# KiCad board data-center-ddr5-tester.kicad_pcb (continued)
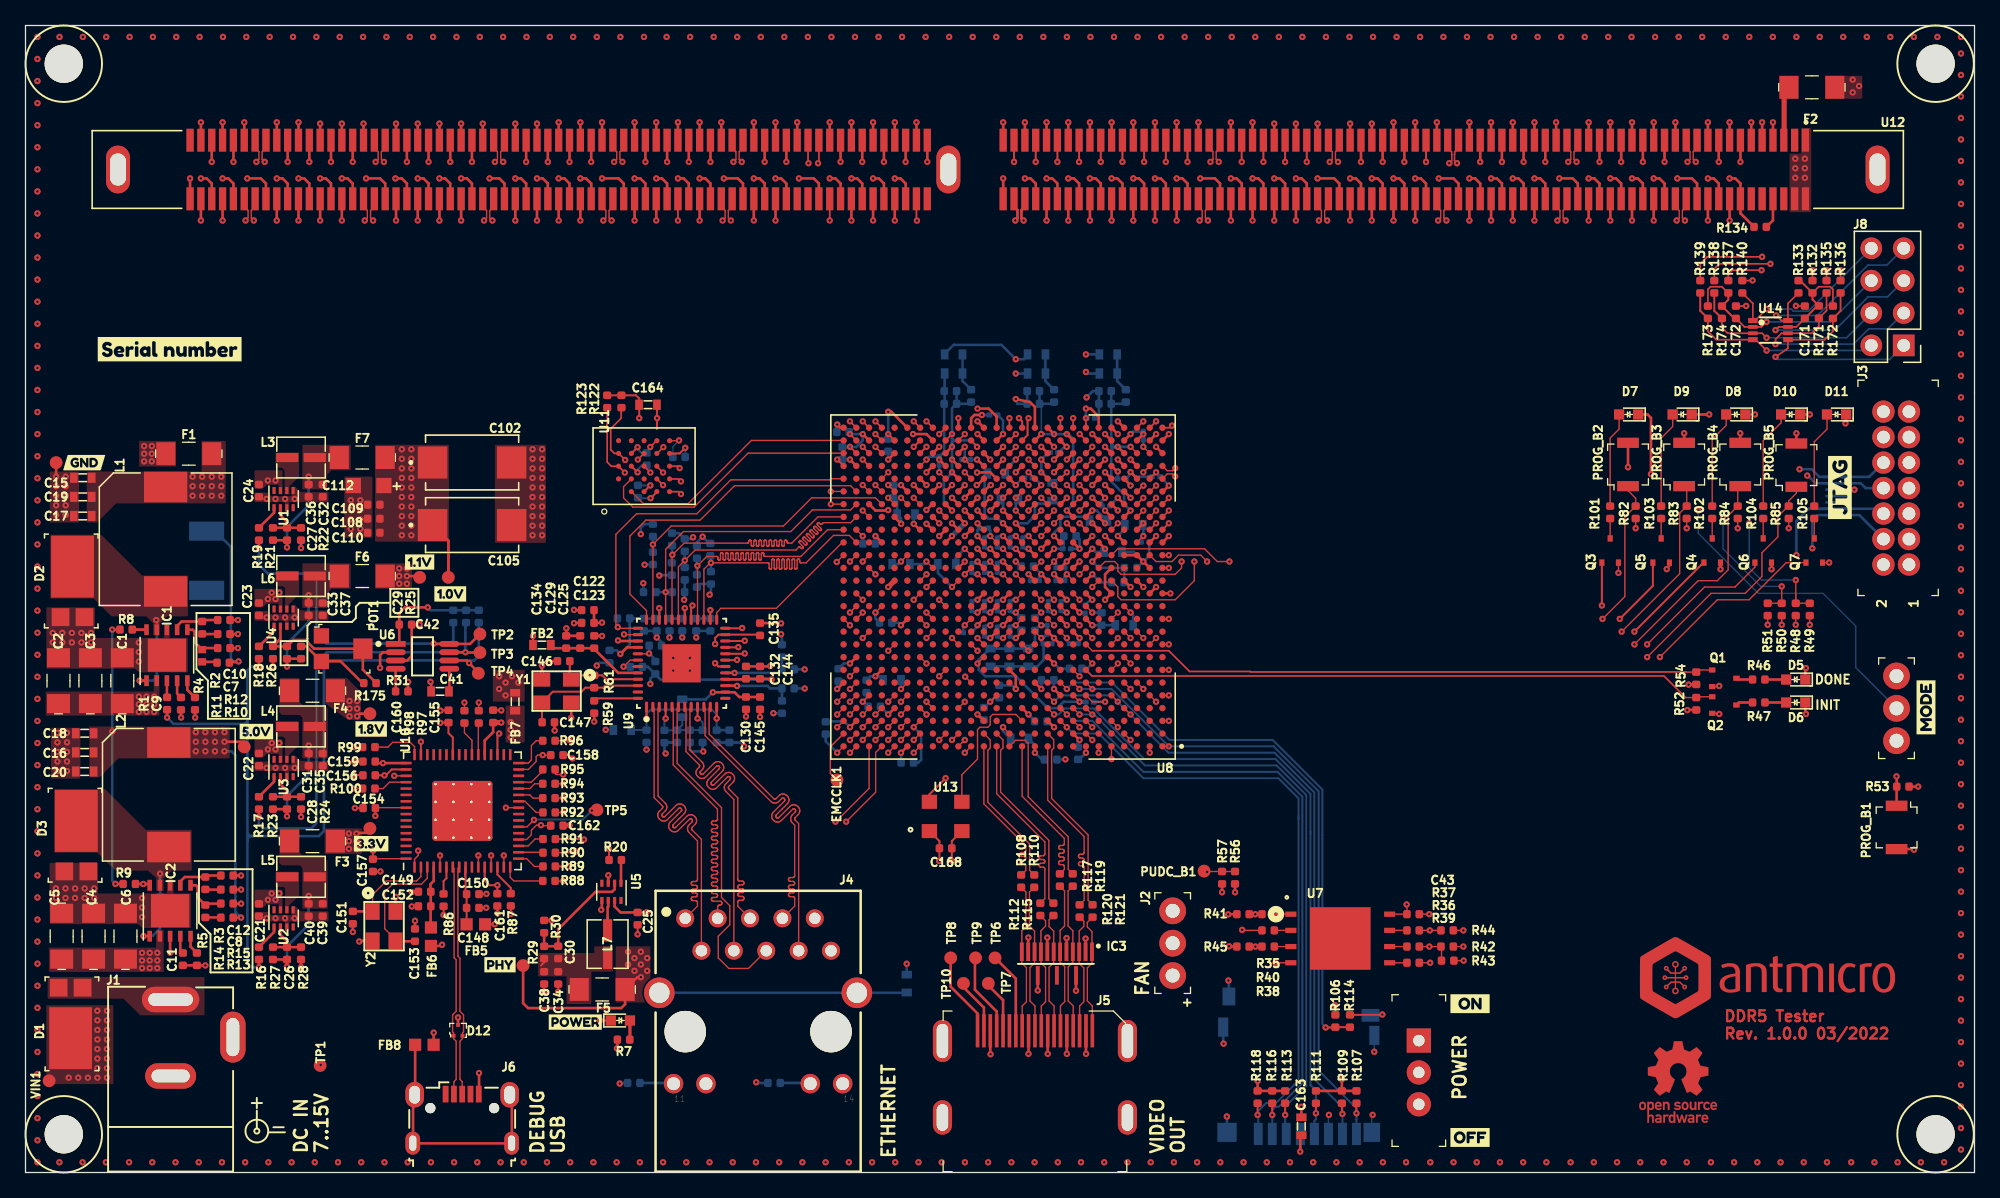
[diagram p0: board, top side]
## Routing (per net, layer and track width the routed paths; a pad name or vN(x,y) marks a point on that pad's centre or on a via; arc(x,y) is an arc through that point) (continued)
ETH_TX_CLK: length 23.7
  Top w0.1: U8.AA24 v4(65.64,53.94)
  Top w0.15: U9.24 56.16,42.7 v1(56.19,42.73)
  In2.Cu w0.1: v1(56.19,42.73) 56.19,49.49 58.32,51.62 58.34,51.64 58.36,51.65 58.38,51.65 58.4,51.65 58.42,51.65 58.44,51.64 58.47,51.61 58.49,51.6 58.51,51.6 58.54,51.6 58.56,51.6 58.58,51.61 58.59,51.62 58.6,51.63 58.61,51.64 58.62,51.66 58.63,51.69 58.63,51.71 58.62,51.73 58.61,51.75 58.6,51.77 58.46,51.9 58.45,51.92 58.44,51.94 58.43,51.96 58.43,51.98 58.44,52 58.45,52.02 58.46,52.04 58.47,52.04 58.48,52.06 58.5,52.07 58.52,52.07 58.55,52.07 58.57,52.07 58.59,52.06 58.6,52.04 58.74,51.91 58.76,51.89 58.78,51.88 58.8,51.88 58.82,51.88 58.84,51.88 58.86,51.89 58.88,51.91 58.88,51.91 58.89,51.93 58.9,51.95 58.91,51.97 58.91,51.99 58.9,52.01 58.89,52.03 58.88,52.05 58.74,52.19 58.73,52.2 58.72,52.22 58.72,52.24 58.72,52.26 58.72,52.29 58.73,52.31 58.74,52.32 58.75,52.33 58.77,52.34 58.78,52.35 58.81,52.35 58.83,52.35 58.85,52.35 58.87,52.34 58.89,52.33 59.02,52.19 59.04,52.18 59.06,52.17 59.08,52.16 59.1,52.16 59.12,52.17 59.14,52.18 59.16,52.19 59.16,52.19 59.18,52.21 59.19,52.23 59.19,52.25 59.19,52.27 59.19,52.29 59.18,52.31 59.16,52.33 59.03,52.47 59.01,52.48 59,52.5 59,52.53 59,52.55 59,52.57 59.01,52.59 59.03,52.61 59.03,52.61 59.05,52.62 59.07,52.63 59.09,52.64 59.11,52.64 59.13,52.63 59.15,52.62 59.17,52.61 59.31,52.47 59.32,52.46 59.34,52.45 59.36,52.44 59.39,52.44 59.41,52.45 59.43,52.46 59.44,52.47 59.45,52.48 59.46,52.49 59.47,52.51 59.47,52.53 59.47,52.56 59.47,52.58 59.46,52.6 59.45,52.61 59.31,52.75 59.3,52.77 59.29,52.79 59.28,52.81 59.28,52.83 59.29,52.85 59.3,52.87 59.31,52.89 59.31,52.89 59.33,52.91 59.35,52.92 59.37,52.92 59.39,52.92 59.41,52.92 59.43,52.91 59.45,52.89 59.59,52.75 59.61,52.74 59.63,52.73 59.65,52.73 59.67,52.73 59.69,52.73 59.71,52.74 59.73,52.75 59.73,52.76 59.74,52.78 59.75,52.8 59.76,52.82 59.76,52.84 59.75,52.86 59.74,52.88 59.73,52.9 59.59,53.03 59.58,53.05 59.57,53.07 59.56,53.09 59.56,53.11 59.57,53.13 59.58,53.15 59.59,53.17 59.6,53.18 59.61,53.19 59.63,53.2 59.65,53.2 59.68,53.2 59.7,53.2 59.72,53.19 59.73,53.18 59.87,53.04 59.89,53.02 59.91,53.01 59.93,53.01 59.95,53.01 59.97,53.01 59.99,53.02 60.01,53.04 60.01,53.04 60.03,53.06 60.04,53.08 60.04,53.1 60.04,53.12 60.04,53.14 60.03,53.16 60.01,53.18 59.94,53.25 59.95,53.25 59.88,53.32 59.86,53.34 59.85,53.36 59.85,53.38 59.85,53.4 59.85,53.42 59.86,53.44 59.88,53.46 59.88,53.46 59.9,53.47 59.92,53.48 59.94,53.49 59.96,53.49 59.98,53.48 60,53.47 60.04,53.45 60.06,53.44 60.08,53.43 60.1,53.43 60.12,53.44 60.14,53.45 60.16,53.46 60.63,53.93 65.63,53.93 v4(65.64,53.94)
ETH_TX_EN: length 12.8
  Top w0.1: U9.25 54.19,43.94 54.52,44.27 58.87,44.27 64.04,49.44 U8.U26
ETH_TXD0: length 23.7
  Top w0.1: U8.W24 v4(65.64,51.94)
  Top w0.15: v1(55.79,40.23) 55.76,40.2 U9.19
  In2.Cu w0.1: v4(65.64,51.94) 62.64,51.94 62.44,51.74 62.42,51.73 62.4,51.72 62.38,51.71 62.36,51.71 62.34,51.72 62.32,51.73 62.28,51.75 62.26,51.76 62.24,51.77 62.22,51.77 62.2,51.76 62.18,51.75 62.16,51.74 62.16,51.73 62.15,51.72 62.14,51.7 62.13,51.68 62.13,51.66 62.14,51.63 62.15,51.62 62.16,51.6 62.23,51.53 62.22,51.53 62.29,51.46 62.31,51.44 62.31,51.42 62.32,51.4 62.32,51.38 62.31,51.36 62.31,51.34 62.29,51.32 62.29,51.32 62.27,51.31 62.25,51.3 62.23,51.29 62.21,51.29 62.19,51.3 62.17,51.31 62.15,51.32 62.01,51.45 62,51.47 61.98,51.48 61.96,51.48 61.94,51.48 61.92,51.48 61.9,51.47 61.88,51.45 61.87,51.45 61.86,51.43 61.85,51.41 61.85,51.39 61.85,51.37 61.85,51.35 61.86,51.33 61.87,51.31 62.01,51.18 62.02,51.16 62.03,51.14 62.04,51.12 62.04,51.1 62.03,51.08 62.02,51.06 62.01,51.04 62,51.04 61.99,51.02 61.97,51.01 61.95,51.01 61.92,51.01 61.9,51.01 61.88,51.02 61.87,51.04 61.73,51.17 61.72,51.18 61.7,51.19 61.67,51.2 61.65,51.2 61.63,51.19 61.61,51.18 61.6,51.17 61.59,51.17 61.58,51.15 61.57,51.13 61.56,51.11 61.56,51.09 61.57,51.07 61.58,51.05 61.59,51.03 61.73,50.89 61.74,50.88 61.75,50.86 61.75,50.84 61.75,50.82 61.75,50.79 61.74,50.78 61.73,50.76 61.72,50.75 61.7,50.74 61.68,50.73 61.66,50.73 61.64,50.73 61.62,50.73 61.6,50.74 61.58,50.75 61.45,50.89 61.43,50.9 61.41,50.91 61.39,50.92 61.37,50.92 61.35,50.91 61.33,50.9 61.31,50.89 61.31,50.88 61.29,50.87 61.29,50.85 61.28,50.83 61.28,50.8 61.29,50.78 61.29,50.76 61.31,50.75 61.44,50.61 61.46,50.59 61.47,50.58 61.47,50.55 61.47,50.53 61.47,50.51 61.46,50.49 61.44,50.48 61.44,50.47 61.42,50.46 61.4,50.45 61.38,50.44 61.36,50.44 61.34,50.45 61.32,50.46 61.3,50.47 61.17,50.61 61.15,50.62 61.13,50.63 61.11,50.63 61.09,50.63 61.07,50.63 61.05,50.62 61.03,50.61 61.02,50.6 61.01,50.58 61,50.56 61,50.54 61,50.52 61,50.5 61.01,50.48 61.02,50.46 61.16,50.33 61.17,50.31 61.18,50.29 61.19,50.27 61.19,50.25 61.18,50.23 61.17,50.21 61.16,50.19 61.15,50.19 61.14,50.17 61.12,50.16 61.1,50.16 61.08,50.16 61.06,50.16 61.04,50.17 61.02,50.19 60.88,50.32 60.87,50.34 60.85,50.35 60.83,50.35 60.8,50.35 60.78,50.35 60.76,50.34 60.75,50.32 60.74,50.32 60.73,50.3 60.72,50.28 60.71,50.26 60.71,50.24 60.72,50.22 60.73,50.2 60.74,50.18 60.88,50.05 60.89,50.03 60.9,50.01 60.91,49.99 60.91,49.97 60.9,49.95 60.89,49.93 60.88,49.91 60.87,49.9 60.86,49.89 60.84,49.88 60.81,49.88 60.79,49.88 60.77,49.88 60.75,49.89 60.72,49.92 60.7,49.93 60.68,49.93 60.66,49.93 60.64,49.93 60.62,49.92 60.6,49.9 58.18,47.48 58.18,40.98 57.42,40.23 v1(55.79,40.23)
ETH_TXD1: length 23.6
  Top w0.1: U8.Y26 v4(63.14,52.44)
  Top w0.15: v1(56.39,40.73) 56.36,40.7 U9.20
  In2.Cu w0.1: v1(56.39,40.73) 56.92,40.73 57.64,41.44 57.64,47.94 58.21,48.51 58.22,48.52 58.24,48.53 58.26,48.54 58.29,48.54 58.31,48.53 58.33,48.52 58.35,48.51 58.38,48.47 58.4,48.46 58.42,48.45 58.44,48.45 58.46,48.45 58.49,48.45 58.51,48.46 58.52,48.47 58.54,48.49 58.55,48.51 58.55,48.53 58.55,48.56 58.55,48.58 58.54,48.6 58.52,48.62 58.31,48.83 58.3,48.84 58.29,48.86 58.28,48.89 58.28,48.91 58.29,48.93 58.3,48.95 58.31,48.97 58.33,48.98 58.35,48.99 58.37,49 58.39,49 58.42,48.99 58.44,48.98 58.45,48.97 58.66,48.76 58.68,48.74 58.7,48.73 58.72,48.73 58.75,48.73 58.77,48.73 58.79,48.74 58.81,48.76 58.82,48.77 58.83,48.79 58.83,48.82 58.83,48.84 58.83,48.86 58.82,48.88 58.81,48.9 58.59,49.11 58.58,49.13 58.57,49.15 58.57,49.17 58.57,49.19 58.57,49.21 58.58,49.23 58.59,49.25 58.61,49.26 58.63,49.27 58.65,49.28 58.68,49.28 58.7,49.27 58.72,49.26 58.74,49.25 58.95,49.04 58.96,49.03 58.98,49.02 59.01,49.01 59.03,49.01 59.05,49.02 59.07,49.03 59.09,49.04 59.1,49.06 59.11,49.08 59.12,49.1 59.12,49.12 59.11,49.14 59.1,49.16 59.09,49.18 58.88,49.39 58.86,49.41 58.85,49.43 58.85,49.45 58.85,49.47 58.85,49.5 58.86,49.52 58.88,49.53 58.89,49.55 58.91,49.56 58.94,49.56 58.96,49.56 58.98,49.56 59,49.55 59.02,49.53 59.23,49.32 59.25,49.31 59.27,49.3 59.29,49.29 59.31,49.29 59.33,49.3 59.35,49.31 59.37,49.32 59.39,49.34 59.4,49.36 59.4,49.38 59.4,49.4 59.4,49.43 59.39,49.45 59.37,49.46 59.16,49.68 59.15,49.69 59.14,49.71 59.13,49.73 59.13,49.76 59.14,49.78 59.15,49.8 59.16,49.82 59.18,49.83 59.2,49.84 59.22,49.85 59.24,49.85 59.26,49.84 59.28,49.83 59.3,49.82 59.51,49.61 59.53,49.59 59.55,49.58 59.57,49.58 59.59,49.58 59.62,49.58 59.64,49.59 59.65,49.61 59.67,49.62 59.68,49.64 59.68,49.66 59.68,49.69 59.68,49.71 59.67,49.73 59.65,49.75 59.44,49.96 59.43,49.98 59.42,50 59.41,50.02 59.41,50.04 59.42,50.06 59.43,50.08 59.44,50.1 59.46,50.11 59.48,50.12 59.5,50.13 59.52,50.13 59.55,50.12 59.57,50.11 59.58,50.1 59.8,49.89 59.81,49.87 59.83,49.86 59.86,49.86 59.88,49.86 59.9,49.86 59.92,49.87 59.94,49.89 59.95,49.91 59.96,49.93 59.97,49.95 59.97,49.97 59.96,49.99 59.95,50.01 59.94,50.03 59.73,50.24 59.71,50.26 59.7,50.28 59.7,50.3 59.7,50.32 59.7,50.34 59.71,50.36 59.73,50.38 59.74,50.4 59.76,50.41 59.79,50.41 59.81,50.41 59.83,50.41 59.85,50.4 59.87,50.38 60.08,50.17 60.1,50.16 60.12,50.15 60.14,50.14 60.16,50.14 60.18,50.15 60.2,50.16 60.22,50.17 60.23,50.19 60.24,50.21 60.25,50.23 60.25,50.25 60.24,50.27 60.23,50.29 60.22,50.31 60.01,50.52 59.99,50.54 59.98,50.56 59.98,50.58 59.98,50.61 59.98,50.63 59.99,50.65 60.01,50.66 60.03,50.68 60.05,50.69 60.07,50.69 60.09,50.69 60.11,50.69 60.13,50.68 60.15,50.66 60.18,50.63 60.2,50.62 60.22,50.61 60.24,50.6 60.27,50.6 60.29,50.61 60.31,50.62 60.33,50.63 62.14,52.44 v4(63.14,52.44)
ETH_TXD2: length 23.6
  Top w0.1: U8.Y22 v4(67.64,52.94)
  Top w0.15: v1(55.89,41.23) 55.86,41.2 U9.21
  In2.Cu w0.1: v1(55.89,41.23) 56.55,41.23 57.14,41.81 57.14,48.44 60.52,51.82 60.54,51.84 60.56,51.85 60.58,51.85 60.6,51.85 60.62,51.85 60.64,51.84 60.66,51.82 60.68,51.8 60.7,51.79 60.72,51.78 60.74,51.77 60.76,51.77 60.79,51.78 60.81,51.79 60.82,51.8 60.84,51.82 60.85,51.84 60.85,51.86 60.85,51.88 60.85,51.91 60.84,51.93 60.82,51.94 60.64,52.13 60.63,52.14 60.62,52.16 60.61,52.19 60.61,52.21 60.62,52.23 60.63,52.25 60.64,52.27 60.66,52.28 60.68,52.29 60.7,52.3 60.72,52.3 60.74,52.29 60.76,52.28 60.78,52.27 60.96,52.08 60.98,52.07 61,52.06 61.02,52.06 61.05,52.06 61.07,52.06 61.09,52.07 61.11,52.08 61.12,52.1 61.13,52.12 61.13,52.14 61.13,52.17 61.13,52.19 61.12,52.21 61.11,52.23 60.92,52.41 60.91,52.43 60.9,52.45 60.89,52.47 60.89,52.49 60.9,52.51 60.91,52.53 60.92,52.55 60.94,52.56 60.96,52.57 60.98,52.58 61,52.58 61.03,52.57 61.05,52.56 61.06,52.55 61.08,52.53 61.1,52.52 61.12,52.51 61.14,52.5 61.17,52.5 61.19,52.51 61.21,52.52 61.23,52.53 61.64,52.94 v4(67.64,52.94)
ETH_TXD3: length 23.6
  Top w0.1: U8.Y21 v4(68.64,52.94)
  Top w0.15: v1(56.39,41.73) 56.36,41.7 U9.22
  In2.Cu w0.1: v4(68.64,52.94) 68.14,53.44 61.14,53.44 56.64,48.94 56.64,41.98 v1(56.39,41.73)
FCS_B: length 42
  Top w0.1: U8.C23 v1(66.64,34.94) ; R35.2 v1(96.42,20.27) R41.1
  In9.Cu w0.1: v1(96.42,20.27) 96.42,23.41 91.89,27.94 69.14,27.94 66.64,30.44 v1(66.64,34.94)
GCLK100: length 10.7
  Top w0.1: U13.3 73.41,31.21 74.64,32.44 74.64,34.75 74.82,34.94 75.45,34.94 75.64,35.13 75.64,35.75 75.82,35.94 77.64,35.94 U8.C12
HR_CKN: length 19.1
  Top w0.1: U8.AE26 56.91,57.44 51.95,52.48 48.44,52.48 U11.B1
HR_CKP: length 21
  Top w0.1: U8.AD26 56.65,56.44 52.42,52.21 47.62,52.21 46.89,52.94 46.89,53.81 U11.B2
HR_CS: length 26.9
  Top w0.127: U8.AC26 v4(63.64,55.94) ; 45.81,60.01 45.6,59.81 45.6,55.75 45.93,55.42 46.49,55.42 ; 46.49,55.42 v4(46.99,54.92)
  In2.Cu w0.127: v4(46.99,54.92) 46.99,54.26 49.56,51.69 54.14,51.69 58.39,55.94 v4(63.64,55.94)
HR_DQ0: length 20
  Top w0.127: U8.AE23 v4(66.64,57.94) ; 49.48,55.42 v4(49.98,54.92)
  In2.Cu w0.127: v4(49.98,54.92) 50.09,54.82 53.52,54.82 57.14,58.44 63.14,58.44 63.39,58.19 64.01,58.19 64.26,58.44 66.14,58.44 v4(66.64,57.94)
HR_DQ1: length 18.3
  Top w0.127: U8.AD25 v4(64.64,56.94) ; 49.48,54.43 v4(49.98,53.93)
  In2.Cu w0.127: 50.03,53.93 v4(49.98,53.93) 51.13,52.79 53.74,52.79 57.89,56.94 v4(64.64,56.94)
HR_DQ2: length 20.9
  Top w0.127: U8.AF24 v4(65.64,58.94) ; 48.5,56.44 v4(48,55.94)
  In2.Cu w0.127: v4(48,55.94) 48.22,55.72 52.92,55.72 56.64,59.44 65.14,59.44 v4(65.64,58.94)
HR_DQ3: length 22.4
  Top w0.127: U8.AE22 v4(67.64,57.94) ; 49.51,56.41 v4(50.01,56.91)
  In2.Cu w0.127: v4(50.01,56.91) 50.51,56.42 52.11,56.42 55.94,60.24 66.34,60.24 67.64,58.94 v4(67.64,57.94)
HR_DQ4: length 21.4
  Top w0.127: U8.AF23 v4(66.64,58.94) ; 49.48,57.43 v4(48.98,56.93)
  In2.Cu w0.127: v4(48.98,56.93) 49.84,56.07 52.52,56.07 56.29,59.84 65.74,59.84 v4(66.64,58.94)
HR_DQ5: length 16.6
  Top w0.127: U8.AF25 v4(64.64,58.94) ; U11.E3 51.13,55.42 v4(51.29,55.27)
  In2.Cu w0.127: v4(64.64,58.94) 64.14,58.94 63.89,59.19 62.89,59.19 62.64,58.94 56.89,58.94 53.22,55.27 v4(51.29,55.27)
HR_DQ6: length 16.5
  Top w0.127: U8.AE25 v4(64.64,57.94) ; U11.E2 51.19,54.42 v4(51.39,54.23)
  In2.Cu w0.127: v4(51.39,54.23) 53.68,54.23 57.39,57.94 v4(64.64,57.94)
HR_DQ7: length 17.8
  Top w0.127: U8.AD24 v4(65.64,56.94) ; v4(51.39,53.24) 51.2,53.42 U11.E1
  In2.Cu w0.127: 58.94,57.44 65.14,57.44 v4(65.64,56.94) ; 58.89,57.44 57.64,57.44 53.44,53.24 v4(51.39,53.24)
HR_RST: length 30.5
  Top w0.127: U8.AC24 v4(65.64,55.94) ; U11.A4 46.17,56.42 45.88,56.71 45.88,58.36 46.69,59.18 46.69,59.86 46.87,60.04 ; 46.51,56.41 v4(47.01,55.91)
  In2.Cu w0.127: v4(47.01,55.91) 46.39,55.28 46.39,53.94 49.14,51.19 54.39,51.19 58.64,55.44 65.14,55.44 v4(65.64,55.94)
HR_RW: length 22.7
  Top w0.127: U8.AD23 v4(66.64,56.94) ; 48.49,55.42 v4(48.99,54.92)
  In2.Cu w0.127: v4(66.64,56.94) 66.14,56.44 58.14,56.44 53.91,52.22 50.68,52.22 49.51,53.39 49.51,54.43 49.02,54.92 v4(48.99,54.92)
HSCL: length 18
  Top w0.127: R138.2 132.4,70.9 132.8,71.3 v1(136.8,71.3)
  Top w0.2: U12.4 v1(137,82.4)
  In2.Cu w0.127: v1(137,82.4) 136.8,82.2 136.8,71.4
HSDA: length 18.3
  Top w0.127: R139.2 131.3,71.3 131.85,71.85 v1(136.15,71.85)
  Top w0.2: U12.5 v1(136.15,82.4)
  In2.Cu w0.127: v1(136.15,82.4) v1(136.15,71.85)
INIT_B: length 50
  Top w0.1: Q2.1 131.05,37.33 R52.2 130.15,37.26 130.14,37.28
  Top w0.127: 130.14,37.28 128.45,38.96 83.61,38.96 U8.G7
LED_LINK: length 58.8
  Top w0.2: U9.17 v1(55.59,39.2)
  In7.Cu w0.2: v1(55.59,39.2) 55.29,38.9 55.29,25.34 56.84,23.79 64.24,23.79 67.44,20.59 67.44,11.24 64.69,8.49 54.86,8.49 J4.12
  Bottom w0.2: R81.1 59.3,40.44 R70.1 59.02,39.2 v1(55.59,39.2)
LED_SPD: length 47.7
  Top w0.2: U9.15 55.76,38.2 v1(55.79,38.18)
  In7.Cu w0.2: J4.14 67.89,10.79 67.89,20.81 64.51,24.19 57.04,24.19 55.79,25.44 v1(55.79,38.18)
  Bottom w0.2: R80.1 59.31,37.97 R69.1 58.39,37.98 58.19,38.18 v1(55.79,38.18)
MODE0: length 64.6
  Top w0.1: R49.1 R48.1 ; R48.1 138.79,44.96 ; R48.1 138.79,44.96 ; 138.79,45.43 138.79,44.96 ; 138.79,44.96 v1(138.79,46.49) ; U8.T5 85.64,48.94 92.44,48.94 93.44,47.94 v1(94.39,47.94)
  In5.Cu w0.1: v1(135.14,50.94) 133.39,52.69 119.89,52.69 115.14,47.94 94.34,47.94
  In9.Cu w0.1: 135.12,50.95 v1(135.14,50.94)
  Bottom w0.1: v1(138.79,46.49) 136.09,46.49 135.14,47.44 v1(135.14,50.94)
MODE1: length 58.6
  Top w0.1: R51.1 R50.1 v1(137.69,45.99) ; v1(92.64,47.94) 92.14,48.44 90.39,48.44 89.89,47.94 88.64,47.94 U8.T2
  In5.Cu w0.1: v1(92.64,47.94) 93.64,46.94 116.14,46.94 120.64,51.44 v1(133.09,51.44)
  Bottom w0.1: v1(137.69,45.99) 136.04,45.99 133.09,48.94 v1(133.09,51.44)
MODE2: length 76.6
  Top w0.1: v1(91.64,47.94) 91.64,46.44 90.14,44.94 85.89,44.94 85.64,45.19 85.64,45.94 U8.P5
  In5.Cu w0.1: v1(91.64,47.94) 92.14,48.44 92.94,48.44 93.94,47.44 115.64,47.44 120.14,51.94 v1(131.14,51.94)
  Bottom w0.1: v1(131.14,51.94) 131.14,50.16 135.85,45.44 140.93,45.44 143.49,42.88 143.49,39.62 MODE1.2
PAR_A: length 41.4
  Top w0.13: v1(78.64,51.94) U8.Y11
  Top w0.15: U12.74 v1(77.5,79.3)
  In7.Cu w0.11: 77.14,74.19 77.14,75.44 77.5,75.8 77.5,76.04 77.5,76.06 77.51,76.09 77.52,76.11 77.54,76.13 77.56,76.14 77.59,76.15 77.61,76.15 77.79,76.15 77.81,76.15 77.84,76.16 77.86,76.17 77.88,76.19 77.89,76.21 77.9,76.24 77.9,76.26 77.9,76.28 77.89,76.31 77.88,76.33 77.86,76.35 77.84,76.36 77.81,76.37 77.79,76.37 77.21,76.37 77.19,76.37 77.16,76.38 77.14,76.39 77.12,76.41 77.11,76.43 77.1,76.46 77.1,76.48 77.1,76.5 77.11,76.53 77.12,76.55 77.14,76.57 77.16,76.58 77.19,76.59 77.21,76.59 77.79,76.59 77.81,76.59 77.84,76.6 77.86,76.61 77.88,76.63 77.89,76.65 77.9,76.68 77.9,76.7 77.9,76.72 77.89,76.75 77.88,76.77 77.86,76.79 77.84,76.8 77.81,76.81 77.79,76.81 77.21,76.81 77.19,76.81 77.16,76.82 77.14,76.83 77.12,76.85 77.11,76.87 77.1,76.9 77.1,76.92 77.1,76.94 77.11,76.97 77.12,76.99 77.14,77.01 77.16,77.02 77.19,77.03 77.21,77.03 77.79,77.03 77.81,77.03 77.84,77.04 77.86,77.05 77.88,77.07 77.89,77.09 77.9,77.12 77.9,77.14 77.9,77.16 77.89,77.19 77.88,77.21 77.86,77.23 77.84,77.24 77.81,77.25 77.79,77.25 77.21,77.25 77.19,77.25 77.16,77.26 77.14,77.27 77.12,77.29 77.11,77.31 77.1,77.34 77.1,77.36 77.1,77.38 77.11,77.41 77.12,77.43 77.14,77.45 77.16,77.46 77.19,77.47 77.21,77.47 77.79,77.47 77.81,77.47 77.84,77.48 77.86,77.49 77.88,77.51 77.89,77.53 77.9,77.56 77.9,77.58 77.9,77.6 77.89,77.63 77.88,77.65 77.86,77.67 77.84,77.68 77.81,77.69 77.79,77.69 77.21,77.69 77.19,77.69 77.16,77.7 77.14,77.71 77.12,77.73 77.11,77.75 77.1,77.78 77.1,77.8 77.1,77.82 77.11,77.85 77.12,77.87 77.14,77.89 77.16,77.9 77.19,77.91 77.21,77.91 77.79,77.91 77.81,77.91 77.84,77.92 77.86,77.93 77.88,77.95 77.89,77.97 77.9,78 77.9,78.02 77.9,78.04 77.89,78.07 77.88,78.09 77.86,78.11 77.84,78.12 77.81,78.13 77.79,78.13 77.21,78.13 77.19,78.13 77.16,78.14 77.14,78.15 77.12,78.17 77.11,78.19 77.1,78.22 77.1,78.24 77.1,78.26 77.11,78.29 77.12,78.31 77.14,78.33 77.16,78.34 77.19,78.35 77.21,78.35 77.79,78.35 77.81,78.35 77.84,78.36 77.86,78.37 77.88,78.39 77.89,78.41 77.9,78.44 77.9,78.46 77.9,78.48 77.89,78.51 77.88,78.53 77.86,78.55 77.84,78.56 77.81,78.57 77.79,78.57 77.21,78.57 77.19,78.57 77.16,78.58 77.14,78.59 77.12,78.61 77.11,78.63 77.1,78.66 77.1,78.68 77.1,78.7 77.11,78.73 77.12,78.75 77.14,78.77 77.16,78.78 77.19,78.79 77.21,78.79 77.39,78.79 77.41,78.79 77.44,78.8 77.46,78.81 77.48,78.83 77.49,78.85 77.5,78.88 77.5,78.9 v1(77.5,79.3)
  In7.Cu w0.127: 78.14,54.06 78.14,52.44
  In7.Cu w0.13: 78.14,54.06 78.64,54.56 78.64,72.69 78.43,72.89 78.41,72.92 78.4,72.94 78.4,72.97 78.4,73 78.4,73.03 78.41,73.06 78.43,73.08 78.48,73.12 78.5,73.15 78.51,73.17 78.52,73.2 78.52,73.23 78.51,73.26 78.5,73.29 78.48,73.31 78.46,73.33 78.43,73.34 78.4,73.35 78.37,73.35 78.34,73.34 78.32,73.33 78.3,73.31 78.02,73.03 78,73.01 77.97,73 77.94,72.99 77.91,72.99 77.88,73 77.86,73.01 77.83,73.03 77.82,73.05 77.8,73.08 77.8,73.11 77.8,73.14 77.8,73.17 77.82,73.19 77.83,73.22 78.11,73.49 78.13,73.51 78.14,73.54 78.15,73.57 78.15,73.6 78.14,73.63 78.13,73.65 78.11,73.68 78.09,73.69 78.06,73.71 78.03,73.71 78,73.71 77.98,73.71 77.95,73.69 77.93,73.68 77.65,73.4 77.63,73.38 77.6,73.37 77.57,73.36 77.54,73.36 77.52,73.37 77.49,73.38 77.47,73.4 77.45,73.42 77.44,73.45 77.43,73.48 77.43,73.51 77.44,73.53 77.45,73.56 77.47,73.58 77.51,73.63 77.53,73.65 77.54,73.68 77.55,73.71 77.55,73.74 77.54,73.76 77.53,73.79 77.51,73.81 77.14,74.19 ; 78.14,52.44 v1(78.64,51.94)
PAR_B: length 41.4
  Top w0.13: U8.AF13 v4(77.14,59.19)
  Top w0.2: U12.227 v4(64.75,74.7)
  In2.Cu w0.127: v4(77.14,59.19) 78.64,60.69 78.64,65.86 76.32,68.18 76.3,68.21 76.29,68.23 76.28,68.26 76.28,68.29 76.29,68.32 76.3,68.34 76.32,68.36 76.34,68.39 76.36,68.41 76.37,68.44 76.38,68.46 76.38,68.49 76.37,68.52 76.36,68.54 76.34,68.57 76.32,68.58 76.29,68.6 76.27,68.6 76.24,68.6 76.21,68.6 76.18,68.58 76.16,68.57 75.93,68.34 75.91,68.32 75.88,68.31 75.86,68.3 75.83,68.3 75.8,68.31 75.78,68.32 75.75,68.34 75.74,68.36 75.72,68.39 75.72,68.41 75.72,68.44 75.72,68.47 75.74,68.5 75.75,68.52 75.98,68.75 76,68.77 76.01,68.79 76.02,68.82 76.02,68.85 76.01,68.88 76,68.9 75.98,68.93 75.96,68.94 75.93,68.96 75.91,68.96 75.88,68.96 75.85,68.96 75.82,68.94 75.8,68.93 75.57,68.7 75.55,68.68 75.53,68.67 75.5,68.66 75.47,68.66 75.44,68.67 75.42,68.68 75.39,68.7 75.38,68.72 75.36,68.75 75.36,68.77 75.36,68.8 75.36,68.83 75.38,68.86 75.39,68.88 75.62,69.11 75.64,69.13 75.65,69.15 75.66,69.18 75.66,69.21 75.65,69.24 75.64,69.26 75.62,69.29 75.6,69.3 75.57,69.32 75.55,69.32 75.52,69.32 75.49,69.32 75.47,69.3 75.44,69.29 75.21,69.06 75.19,69.04 75.17,69.03 75.14,69.02 75.11,69.02 75.08,69.03 75.06,69.04 75.03,69.06 75.02,69.08 75,69.11 75,69.13 75,69.16 75,69.19 75.02,69.21 75.03,69.24 75.26,69.47 75.28,69.49 75.29,69.51 75.3,69.54 75.3,69.57 75.29,69.6 75.28,69.62 75.26,69.64 75.24,69.66 75.22,69.67 75.19,69.68 75.16,69.68 75.13,69.67 75.11,69.66 75.08,69.64 74.86,69.42 74.83,69.4 74.81,69.39 74.78,69.38 74.75,69.38 74.72,69.39 74.7,69.4 74.68,69.42 74.66,69.44 74.65,69.46 74.64,69.49 74.64,69.52 74.65,69.55 74.66,69.57 74.68,69.6 74.7,69.62 74.72,69.64 74.73,69.67 74.74,69.7 74.74,69.72 74.73,69.75 74.72,69.78 74.7,69.8 74.31,70.19 65.39,70.19 64.75,70.83 64.75,71.05 64.75,71.08 64.76,71.1 64.78,71.13 64.8,71.15 64.82,71.16 64.85,71.17 64.88,71.17 65.02,71.17 65.05,71.18 65.08,71.19 65.1,71.2 65.12,71.22 65.14,71.25 65.15,71.27 65.15,71.3 65.15,71.33 65.14,71.36 65.12,71.38 65.1,71.4 65.08,71.42 65.05,71.43 65.02,71.43 64.48,71.43 64.45,71.43 64.42,71.44 64.4,71.46 64.38,71.48 64.36,71.5 64.35,71.53 64.35,71.56 64.35,71.58 64.36,71.61 64.38,71.64 64.4,71.66 64.42,71.67 64.45,71.68 64.48,71.68 65.02,71.68 65.05,71.69 65.08,71.7 65.1,71.71 65.12,71.73 65.14,71.75 65.15,71.78 65.15,71.81 65.15,71.84 65.14,71.87 65.12,71.89 65.1,71.91 65.08,71.92 65.05,71.93 65.02,71.94 64.48,71.94 64.45,71.94 64.42,71.95 64.4,71.96 64.38,71.98 64.36,72.01 64.35,72.04 64.35,72.06 64.35,72.09 64.36,72.12 64.38,72.14 64.4,72.16 64.42,72.18 64.45,72.19 64.48,72.19 65.02,72.19 65.05,72.19 65.08,72.2 65.1,72.22 65.12,72.24 65.14,72.26 65.15,72.29 65.15,72.32 65.15,72.35 65.14,72.37 65.12,72.4 65.1,72.42 65.08,72.43 65.05,72.44 65.02,72.44 64.48,72.44 64.45,72.45 64.42,72.46 64.4,72.47 64.38,72.49 64.36,72.52 64.35,72.54 64.35,72.57 64.35,72.6 64.36,72.63 64.38,72.65 64.4,72.67 64.42,72.69 64.45,72.7 64.48,72.7 65.02,72.7 65.05,72.7 65.08,72.71 65.1,72.73 65.12,72.75 65.14,72.77 65.15,72.8 65.15,72.83 65.15,72.85 65.14,72.88 65.12,72.91 65.1,72.93 65.08,72.94 65.05,72.95 65.02,72.95 64.48,72.95 64.45,72.96 64.42,72.97 64.4,72.98 64.38,73 64.36,73.02 64.35,73.05 64.35,73.08 64.35,73.11 64.36,73.14 64.38,73.16 64.4,73.18 64.42,73.19 64.45,73.2 64.48,73.21 65.02,73.21 65.05,73.21 65.08,73.22 65.1,73.23 65.12,73.25 65.14,73.28 65.15,73.31 65.15,73.33 65.15,73.36 65.14,73.39 65.12,73.41 65.1,73.43 65.08,73.45 65.05,73.46 65.02,73.46 64.48,73.46 64.45,73.46 64.42,73.47 64.4,73.49 64.38,73.51 64.36,73.53 64.35,73.56 64.35,73.59 64.35,73.62 64.36,73.64 64.38,73.67 64.4,73.69 64.42,73.7 64.45,73.71 64.48,73.72 65.02,73.72 65.05,73.72 65.08,73.73 65.1,73.74 65.12,73.76 65.14,73.79 65.15,73.81 65.15,73.84 65.15,73.87 65.14,73.9 65.12,73.92 65.1,73.94 65.08,73.96 65.05,73.97 65.02,73.97 64.48,73.97 64.45,73.97 64.42,73.98 64.4,74 64.38,74.02 64.36,74.04 64.35,74.07 64.35,74.1 64.35,74.12 64.36,74.15 64.38,74.18 64.4,74.2 64.42,74.21 64.45,74.22 64.48,74.22 64.62,74.22 64.65,74.23 64.68,74.24 64.7,74.25 64.72,74.27 64.74,74.29 64.75,74.32 64.75,74.35 v4(64.75,74.7)
PROGRAM_B: length 84.6
  Top w0.1: 146.74,28.73 PROG_B1.1 ; U8.P6 v3(83.64,45.94)
  Top w0.2: v1(146.69,31.08) 146.7,31.06 R53.2 ; 146.69,30.28 PROG_B1.1
  In5.Cu w0.1: v1(146.69,31.08) 144.6,31.08 143.44,32.24 143.44,47.54 141.54,49.44 121.71,49.44 117.71,45.44 91.89,45.44 91.39,45.94 v3(83.64,45.94)
PUDC_B: length 39
  Top w0.1: U8.B25 v1(64.64,33.94) ; v1(92.64,23.59) 92.66,23.62 R57.1 R56.2
  In9.Cu w0.1: v1(92.64,23.59) 92.64,24.94 91.14,26.44 67.64,26.44 64.14,29.94 64.14,33.44 v1(64.64,33.94)
QSPI_DQ0: length 59.3
  Top w0.1: U8.B24 v1(65.64,33.94) ; R39.2 v1(110.12,16.46)
  In9.Cu w0.1: v1(65.64,33.94) 65.64,30.44 68.64,27.44 91.69,27.44 95.94,23.19 95.94,16.99 96.87,16.06 109.72,16.06 v1(110.12,16.46)
QSPI_DQ1: length 42.6
  Top w0.1: U8.A25 v1(64.64,32.94) ; R40.2 95.43,19 v1(95.39,19.04)
  In9.Cu w0.1: v1(95.39,19.04) 95.39,22.99 91.44,26.94 68.14,26.94 64.64,30.44 v1(64.64,32.94)
QSPI_DQ2: length 44.7
  Top w0.1: U8.B22 v1(67.64,33.94) ; R38.2 v1(96.43,17.73) R45.2 95.9,17.77
  In9.Cu w0.1: 97.44,22.24 97.44,23.29 92.29,28.44 69.64,28.44 67.09,30.99 67.09,33.39 v1(67.64,33.94) ; 97.44,22.24 97.44,18.74 v1(96.43,17.73) ; 97.44,22.24 97.44,22.44
QSPI_DQ3: length 51.5
  Top w0.1: U8.A22 v1(67.64,32.94) ; 110.97,19 v1(110.1,19) R37.2
  In9.Cu w0.1: v1(110.1,19) 102.63,19 92.69,28.94 70.14,28.94 67.64,31.44 v1(67.64,32.94)
RESET_N: length 41.4
  Top w0.13: U8.AF3 v1(87.64,58.94)
  Top w0.2: U12.207 v1(86.85,74.7)
  In9.Cu w0.13: v1(87.64,58.94) 86.85,59.73 86.85,62.09 86.85,62.12 86.86,62.15 86.88,62.17 86.9,62.19 86.92,62.21 86.95,62.22 86.98,62.22 87.16,62.22 87.19,62.22 87.22,62.23 87.24,62.25 87.26,62.27 87.28,62.29 87.29,62.32 87.29,62.35 87.29,62.38 87.28,62.41 87.26,62.43 87.24,62.45 87.22,62.47 87.19,62.48 87.16,62.48 86.54,62.48 86.51,62.48 86.48,62.49 86.46,62.51 86.44,62.53 86.42,62.55 86.41,62.58 86.41,62.61 86.41,62.64 86.42,62.67 86.44,62.69 86.46,62.71 86.48,62.73 86.51,62.74 86.54,62.74 87.16,62.74 87.19,62.74 87.22,62.75 87.24,62.77 87.26,62.79 87.28,62.81 87.29,62.84 87.29,62.87 87.29,62.9 87.28,62.93 87.26,62.95 87.24,62.97 87.22,62.99 87.19,63 87.16,63 86.54,63 86.51,63 86.48,63.01 86.46,63.03 86.44,63.05 86.42,63.07 86.41,63.1 86.41,63.13 86.41,63.16 86.42,63.19 86.44,63.21 86.46,63.23 86.48,63.25 86.51,63.26 86.54,63.26 87.16,63.26 87.19,63.26 87.22,63.27 87.24,63.29 87.26,63.31 87.28,63.33 87.29,63.36 87.29,63.39 87.29,63.42 87.28,63.45 87.26,63.47 87.24,63.49 87.22,63.51 87.19,63.52 87.16,63.52 86.54,63.52 86.51,63.52 86.48,63.53 86.46,63.55 86.44,63.57 86.42,63.59 86.41,63.62 86.41,63.65 86.41,63.68 86.42,63.71 86.44,63.73 86.46,63.75 86.48,63.77 86.51,63.78 86.54,63.78 87.16,63.78 87.19,63.78 87.22,63.79 87.24,63.81 87.26,63.83 87.28,63.85 87.29,63.88 87.29,63.91 87.29,63.94 87.28,63.97 87.26,63.99 87.24,64.01 87.22,64.03 87.19,64.04 87.16,64.04 86.54,64.04 86.51,64.04 86.48,64.05 86.46,64.07 86.44,64.09 86.42,64.11 86.41,64.14 86.41,64.17 86.41,64.2 86.42,64.23 86.44,64.25 86.46,64.27 86.48,64.29 86.51,64.3 86.54,64.3 87.16,64.3 87.19,64.3 87.22,64.31 87.24,64.33 87.26,64.35 87.28,64.37 87.29,64.4 87.29,64.43 87.29,64.46 87.28,64.49 87.26,64.51 87.24,64.53 87.22,64.55 87.19,64.56 87.16,64.56 86.54,64.56 86.51,64.56 86.48,64.57 86.46,64.59 86.44,64.61 86.42,64.63 86.41,64.66 86.41,64.69 86.41,64.72 86.42,64.75 86.44,64.77 86.46,64.79 86.48,64.81 86.51,64.82 86.54,64.82 87.16,64.82 87.19,64.82 87.22,64.83 87.24,64.85 87.26,64.87 87.28,64.89 87.29,64.92 87.29,64.95 87.29,64.98 87.28,65.01 87.26,65.03 87.24,65.05 87.22,65.07 87.19,65.08 87.16,65.08 86.54,65.08 86.51,65.08 86.48,65.09 86.46,65.11 86.44,65.13 86.42,65.15 86.41,65.18 86.41,65.21 86.41,65.24 86.42,65.27 86.44,65.29 86.46,65.31 86.48,65.33 86.51,65.34 86.54,65.34 87.16,65.34 87.19,65.34 87.22,65.35 87.24,65.37 87.26,65.39 87.28,65.41 87.29,65.44 87.29,65.47 87.29,65.5 87.28,65.53 87.26,65.55 87.24,65.57 87.22,65.59 87.19,65.6 87.16,65.6 86.54,65.6 86.51,65.6 86.48,65.61 86.46,65.63 86.44,65.65 86.42,65.67 86.41,65.7 86.41,65.73 86.41,65.76 86.42,65.79 86.44,65.81 86.46,65.83 86.48,65.85 86.51,65.86 86.54,65.86 87.16,65.86 87.19,65.86 87.22,65.87 87.24,65.89 87.26,65.91 87.28,65.93 87.29,65.96 87.29,65.99 87.29,66.02 87.28,66.05 87.26,66.07 87.24,66.09 87.22,66.11 87.19,66.12 87.16,66.12 86.54,66.12 86.51,66.12 86.48,66.13 86.46,66.15 86.44,66.17 86.42,66.19 86.41,66.22 86.41,66.25 86.41,66.28 86.42,66.31 86.44,66.33 86.46,66.35 86.48,66.37 86.51,66.38 86.54,66.38 87.16,66.38 87.19,66.38 87.22,66.39 87.24,66.41 87.26,66.43 87.28,66.45 87.29,66.48 87.29,66.51 87.29,66.54 87.28,66.57 87.26,66.59 87.24,66.61 87.22,66.63 87.19,66.64 87.16,66.64 86.54,66.64 86.51,66.64 86.48,66.65 86.46,66.67 86.44,66.69 86.42,66.71 86.41,66.74 86.41,66.77 86.41,66.8 86.42,66.83 86.44,66.85 86.46,66.87 86.48,66.89 86.51,66.9 86.54,66.9 87.16,66.9 87.19,66.9 87.22,66.91 87.24,66.93 87.26,66.95 87.28,66.97 87.29,67 87.29,67.03 87.29,67.06 87.28,67.09 87.26,67.11 87.24,67.13 87.22,67.15 87.19,67.16 87.16,67.16 86.54,67.16 86.51,67.16 86.48,67.17 86.46,67.19 86.44,67.21 86.42,67.23 86.41,67.26 86.41,67.29 86.41,67.32 86.42,67.35 86.44,67.37 86.46,67.39 86.48,67.41 86.51,67.42 86.54,67.42 87.16,67.42 87.19,67.42 87.22,67.43 87.24,67.45 87.26,67.47 87.28,67.49 87.29,67.52 87.29,67.55 87.29,67.58 87.28,67.61 87.26,67.63 87.24,67.65 87.22,67.67 87.19,67.68 87.16,67.68 86.54,67.68 86.51,67.68 86.48,67.69 86.46,67.71 86.44,67.73 86.42,67.75 86.41,67.78 86.41,67.81 86.41,67.84 86.42,67.87 86.44,67.89 86.46,67.91 86.48,67.93 86.51,67.94 86.54,67.94 87.16,67.94 87.19,67.94 87.22,67.95 87.24,67.97 87.26,67.99 87.28,68.01 87.29,68.04 87.29,68.07 87.29,68.1 87.28,68.13 87.26,68.15 87.24,68.17 87.22,68.19 87.19,68.2 87.16,68.2 86.54,68.2 86.51,68.2 86.48,68.21 86.46,68.23 86.44,68.25 86.42,68.27 86.41,68.3 86.41,68.33 86.41,68.36 86.42,68.39 86.44,68.41 86.46,68.43 86.48,68.45 86.51,68.46 86.54,68.46 87.16,68.46 87.19,68.46 87.22,68.47 87.24,68.49 87.26,68.51 87.28,68.53 87.29,68.56 87.29,68.59 87.29,68.62 87.28,68.65 87.26,68.67 87.24,68.69 87.22,68.71 87.19,68.72 87.16,68.72 86.54,68.72 86.51,68.72 86.48,68.73 86.46,68.75 86.44,68.77 86.42,68.79 86.41,68.82 86.41,68.85 86.41,68.88 86.42,68.91 86.44,68.93 86.46,68.95 86.48,68.97 86.51,68.98 86.54,68.98 87.16,68.98 87.19,68.98 87.22,68.99 87.24,69.01 87.26,69.03 87.28,69.05 87.29,69.08 87.29,69.11 87.29,69.14 87.28,69.17 87.26,69.19 87.24,69.21 87.22,69.23 87.19,69.24 87.16,69.24 86.54,69.24 86.51,69.24 86.48,69.25 86.46,69.27 86.44,69.29 86.42,69.31 86.41,69.34 86.41,69.37 86.41,69.4 86.42,69.43 86.44,69.45 86.46,69.47 86.48,69.49 86.51,69.5 86.54,69.5 87.16,69.5 87.19,69.5 87.22,69.51 87.24,69.53 87.26,69.55 87.28,69.57 87.29,69.6 87.29,69.63 87.29,69.66 87.28,69.69 87.26,69.71 87.24,69.73 87.22,69.75 87.19,69.76 87.16,69.76 86.54,69.76 86.51,69.76 86.48,69.77 86.46,69.79 86.44,69.81 86.42,69.83 86.41,69.86 86.41,69.89 86.41,69.92 86.42,69.95 86.44,69.97 86.46,69.99 86.48,70.01 86.51,70.02 86.54,70.02 86.72,70.02 86.75,70.02 86.78,70.03 86.8,70.05 86.82,70.07 86.84,70.09 86.85,70.12 86.85,70.15 v1(86.85,74.7)